# Altium PCB PCB.PcbDoc (part 4 of 4)
Units mil, origin at the board's own origin, x right, y up, seen from the top; angles counter-clockwise.
Board outline 2125.98 x 1181.1 mil, 6 copper layers (Top Layer, Inner Layer 1, Inner Layer 2, Inner Layer 3, Inner Layer 4, Bottom Layer), stack 60.866 mil thick; 220 components, 147 nets, 863 pads, 1478 vias.
Unrouted connection lines stored in the file: 463.
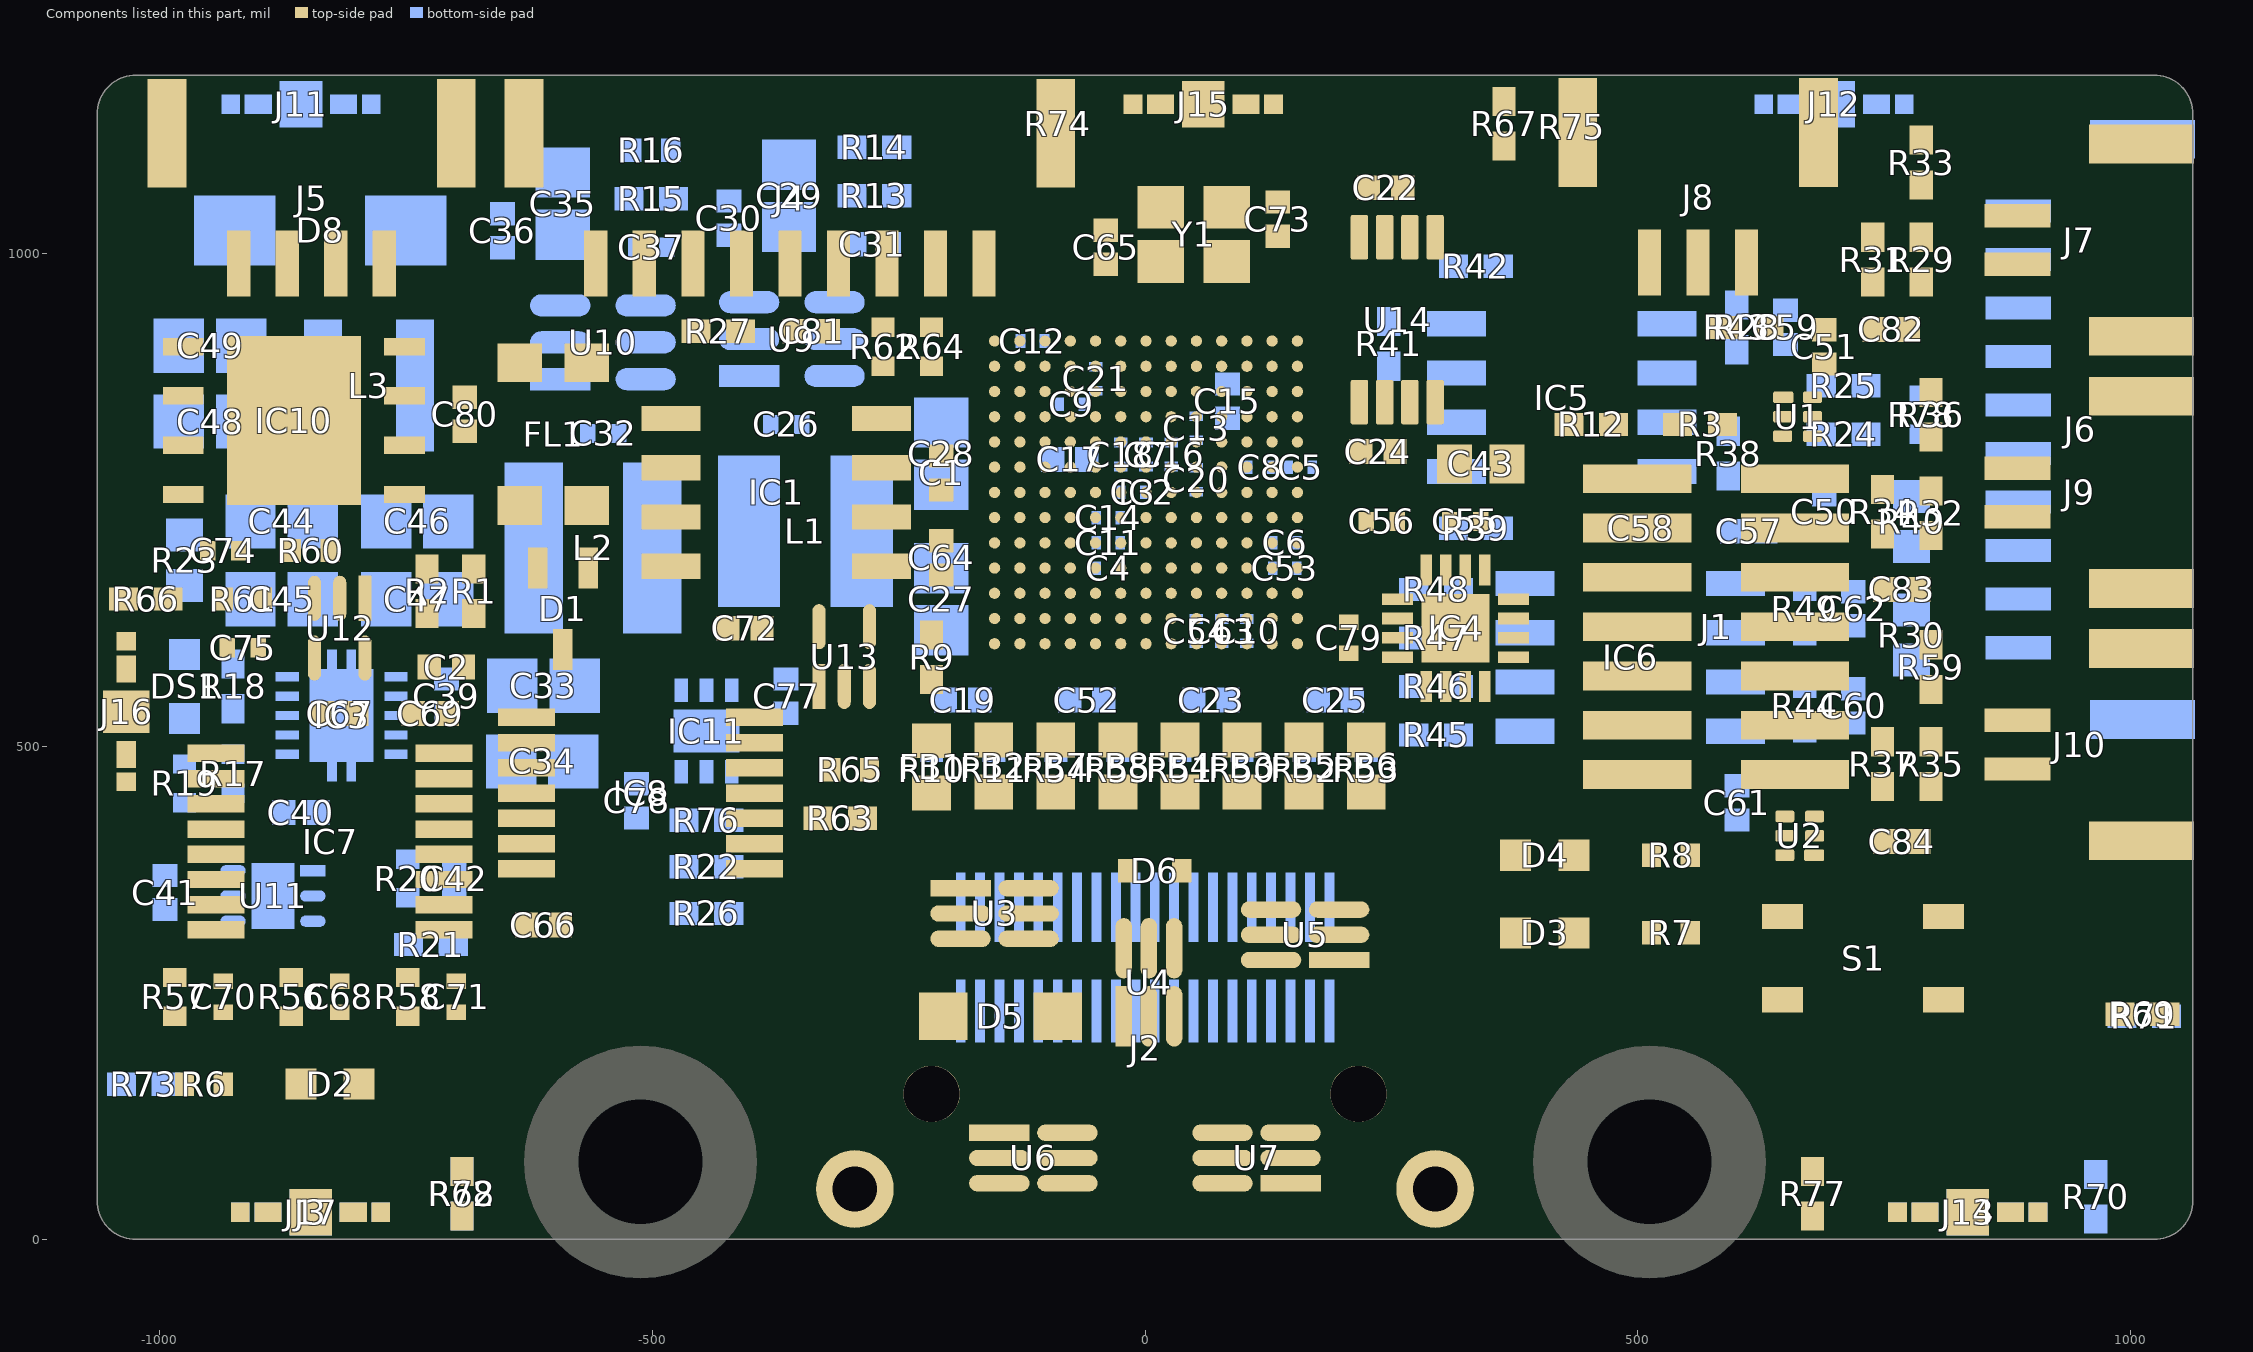
[diagram p8: the components of this part, seen from the top]

## Polygon pours and split planes (outlines as drawn) (continued)
CHASSIS on Inner Layer 4 "NONET_L-01_P-001" (solid, pour order 52): -984.78,1142.26 -826.77,1142.26 -826.77,1181.1 -1062.99,1181.1 -1062.99,0 1062.99,0 1062.99,1181.1 -826.77,1181.1 -826.77,1142.26 983.18,1142.39 cw(c983.19,1102.37) 1023.21,1102.36 1023.62,78.74 cw(c984.27,78.72) 984.25,39.37 -39.37,39.37 -984.25,39.37 cw(c-984.26,78.73) -1023.62,78.74 -1024.68,1102.36 cw(c-984.78,1102.36)
CHASSIS on Bottom Solder "NONET_L-01_P-001" (solid, pour order 7): -984.78,1142.26 -826.77,1142.26 -826.77,1181.1 -1062.99,1181.1 -1062.99,0 1062.99,0 1062.99,1181.1 -826.77,1181.1 -826.77,1142.26 983.18,1142.39 cw(c983.19,1102.37) 1023.21,1102.36 1023.62,78.74 cw(c984.27,78.72) 984.25,39.37 -39.37,39.37 -984.25,39.37 cw(c-984.26,78.73) -1023.62,78.74 -1024.68,1102.36 cw(c-984.78,1102.36)

## Silkscreen, mask and mechanical layers (free items; w line width, h text height)
Top Overlay:
  drawing of 5 lines, arcs and shapes, not listed
  text "CAN" at -59.06,1075.5 h60
  text "T1" at 874.02,1062.99 h60 r90
  text "PWR" at -740.16,944.88 h60
  text "ADC0" at 334.65,941.64 h60
  text "T2" at 877.95,811.02 h60 r90
  text "T3" at 877.25,551.18 h60 r90
  text "1" at 322.83,374.02 h60
  text "2" at 314.96,291.34 h60
  text "RESET" at 639.76,158.18 h60
  text "3V3" at -759.84,138.5 h60
Bottom Overlay:
  text "ENC" at 841.82,1019.68 h60 r90
  text "Inverter Logic Stage" at 977.78,342.18 h60
  text "Bernard Jin" at 976.61,291.51 h60
Board Outline:
  the board outline again, w10